# KiCad board CXD-ROUTER-v1.1.0.kicad_pcb (continued)
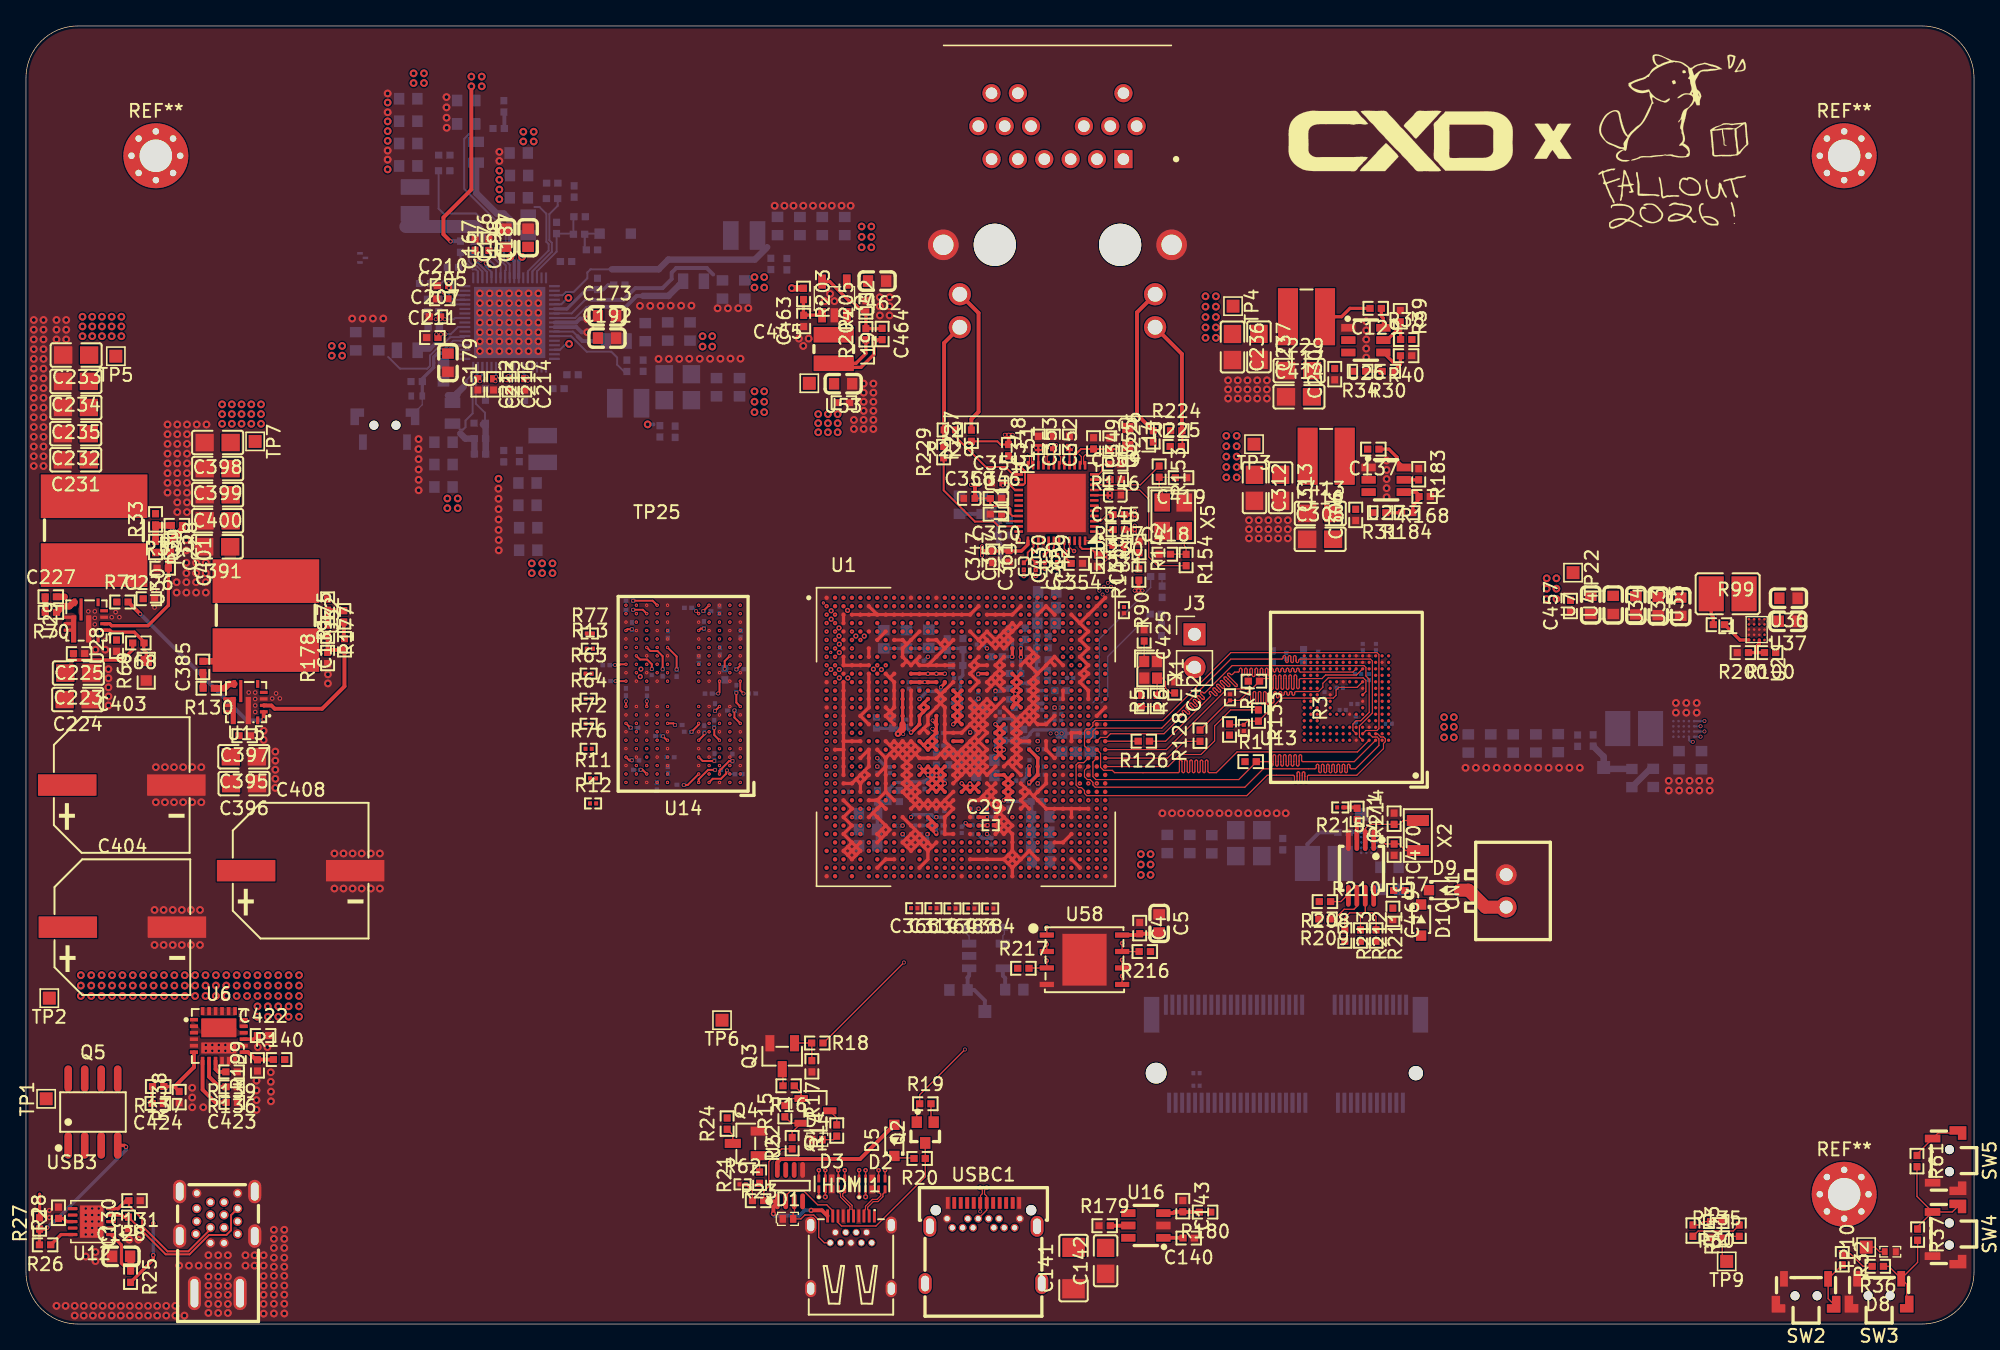
[diagram p0: board, top side]
## Nets (continued)
Net-(U27-VFB): R168.2 R184.1 U27.4
Net-(U29-BOOT): R70.1 U29.7
Net-(U29-EN): R68.1 R69.2 U29.1
Net-(U29-FB): C228.2 R29.2 R35.2 U29.2
Net-(U29-MODE): U28.2 U29.10
Net-(U29-PG): R71.1 U29.4
Net-(U29-SS): C226.1 U29.5
Net-(U29-SW): C227.2 U29.6 U30.1
Net-(U46-EN): R207.2 U46.4
Net-(U46-ILIM/OCB): R206.2 U46.3
Net-(U52-EN): C463.2 R203.2 U52.1
Net-(U52-FB): C464.1 R204.2 R205.1 U52.5
Net-(U52-LX): L19.1 U52.3
Net-(U57-CLKOUT): R211.1 R212.1 R213.1 U57.7
Net-(U57-INT#): R214.2 U57.3
Net-(U57-OSCI): C470.1 U57.1 X2.2
Net-(U57-OSCO): C471.1 U57.2 X2.1
Net-(U57-SCL): R209.1 U57.6
Net-(U57-SDA): R208.1 U57.5
Net-(U57-VDD): C469.1 R210.1 U57.8

Pads without a net: CN2 3 5 6 8 9 10 11 12 13 14 15 16 17 19 20 21 22 23 32 34 36 38 40 42 44 46 48 50 54 56 58 59 60 61 62 64 65 66 67 68 70 71 73; HDMI1 1 2; J2 13 14 15; R180 1; REF** 1; REF**#2 1; REF**#3 1; U1 AA9 AB9 AC6 AC7 AC9 AD1 AD2 AD4 AD6 AD7 AD9 AE1 AE2 AF1 AF2 AF18 AG1 AG2 AG31 AG32 AH2 AH3 AH31 AH32 AJ1 AJ2 AJ31 AJ32 AK2 AK3 AK8 AK17 AK18 AK19 AK20 AK21 AK22 AK31 AK32 AL1 AL2 AL8 AL18 AL19 AL20 AL21 AL22 AL31 AL32 AM2 AM3 AM5 AM31 AM32 AN1 AN2 AN3 AN4 AN5 AN6 AN24 AN25 AN26 AN27 AN28 AN29 AN30 AN32 AN33 AN34 AP2 AP4 AP6 AP24 AP25 AP26 AP27 AP28 AP29 AP30 AP31 AP32 AP33 C19 D7 D10 D14 D17 E7 E10 E17 G9 G18 H4 H5 H9 H18 K4 K5 K7 M7 T5 V6 V7 W4 W5; U11 4 5 6 7; U12 2 3 6 7 9; U13 A1 A2 A7 A8 A9 A10 A11 A12 A13 A14 B1 B7 B8 B9 B10 B11 B12 B13 B14 C1 C3 C5 C7 C8 C9 C10 C11 C12 C13 C14 D1 D2 D3 D4 D12 D13 D14 E1 E2 E3 E5 E8 E9 E10 E12 E13 E14 F1 F2 F3 F10 F12 F13 F14 G1 G2 G3 G10 G12 G13 G14 H1 H2 H3 H12 H13 H14 J1 J2 J3 J12 J13 J14 K1 K2 K3 K6 K7 K10 K12 K13 K14 L1 L2 L3 L12 L13 L14 M1 M2 M3 M7 M8 M9 M10 M11 M12 M13 M14 N1 N3 N6 N7 N8 N9 N10 N11 N12 N13 N14 P1 P2 P7 P8 P9 P10 P11 P12 P13 P14; U14 78.85 A1 A2 A8 A11 A12 AA1 AA12 AB1 AB2 AB11 AB12 B1 B12 G11 H3 J5 K5 K8 N5 N8 P5 R3; U15 4 5 10; U18 2 3 38 47 48; USB3 A6 A7 A8 B6 B7 B8; USBC1 0 A5 A8 A10 A11 B5 B8

## Via types
v1: diameter 0.6, hole 0.3, Top to Bottom, 666 vias
v2: diameter 0.25, hole 0.1, Top to In1.Cu, 277 vias
v3: diameter 0.35, hole 0.2, Top to Bottom, 38 vias
v4: diameter 0.4, hole 0.2, Top to Bottom, 40 vias
v5: diameter 0.3, hole 0.2, Top to Bottom, 165 vias
v6: diameter 0.4, hole 0.22, Top to Bottom, 4 vias
v7: diameter 0.4, hole 0.2, In1.Cu to In8.Cu, 83 vias
v8: diameter 0.35, hole 0.2, In1.Cu to In8.Cu, 16 vias
v9: diameter 0.35, hole 0.15, Top to Bottom, 17 vias
v10: diameter 0.35, hole 0.15, In1.Cu to In8.Cu, 2 vias
v11: diameter 0.25, hole 0.1, In1.Cu to In8.Cu, 7 vias
v12: diameter 0.25, hole 0.1, Top to Bottom, 2 vias

## Routing (per net, layer and track width the routed paths; a pad name or vN(x,y) marks a point on that pad's centre or on a via; arc(x,y) is an arc through that point)
0V95_ETH: length 14.7
  Top w0.15: U11.16 80.35,67.52 C353.1 ; C345.2 83.46,63.85 82.26,63.85 ; 81.15,60.34 81.15,59.9 81.34,59.71 82.03,59.71 C356.1 ; C348.1 77.95,67.52 U11.22 ; 82.26,65.05 83.47,65.05 C359.1 ; U11.28 76.15,64.25 75.6,64.8 C351.2
  Top w0.254: C347.2 74.45,59.55 C357.2 76.65,59.55 77.15,60.05 77.15,60.34
  Top w0.3: C347.2 73.63,59.55 v5(73.62,59.56) ; v5(73.62,59.91) v5(73.62,59.21) ; v5(83.12,59.26) 82.51,59.26 C356.1 ; v5(83.12,58.91) v5(83.12,59.61)
  vias: v1(92.42,68.43) v1(92.42,67.62) v1(92.42,66.83) v1(92.42,66.03) v1(92.42,65.23) v1(93.23,68.43) v1(93.23,67.62) v1(93.23,66.83) v1(93.23,66.03) v1(93.23,65.23) v5(75.22,64.96) v5(75.22,64.61) v5(77.77,67.51) v5(78.12,67.51) v5(80.17,67.56) v5(80.52,67.56) v5(83.47,65.26) v5(83.47,64.91) v5(83.47,64.01) v5(83.47,63.66)
3V3_M0:
  vias: v1(15.1,70.85) v1(15.1,70.1) v1(15.1,69.35) v1(15.85,70.85) v1(15.85,70.1) v1(15.85,69.35) v1(16.6,70.85) v1(16.6,70.1) v1(16.6,69.35) v1(17.35,70.85) v1(17.35,70.1) v1(17.35,69.35) v1(18.1,70.85) v1(18.1,70.1) v1(18.1,69.35)
/15V_PD_OUT: length 5.8
  Top w0.254: 3.3,51.15 7.42,51.15 8.22,51.95 R68.2
  vias: v1(4.22,26.88) v1(4.22,26.08) v1(4.22,25.28) v1(5.02,26.88) v1(5.02,26.08) v1(5.02,25.28) v1(5.83,26.88) v1(5.83,26.08) v1(5.83,25.28) v1(6.62,26.88) v1(6.62,26.08) v1(6.62,25.28) v1(7.42,26.88) v1(7.42,26.08) v1(7.42,25.28) v1(8.22,26.88) v1(8.22,26.08) v1(8.22,25.28) v1(9.02,26.88) v1(9.02,26.08) v1(9.02,25.28) v1(9.83,26.88) v1(9.83,26.08) v1(9.83,25.28) v1(10.62,26.88) v1(10.62,26.08) v1(10.62,25.28) v1(11.42,26.88) v1(11.42,26.08) v1(11.42,25.28) v1(12.22,26.88) v1(12.22,26.08) v1(12.22,25.28) v1(13.02,26.88) v1(13.02,26.08) v1(13.02,25.28) v1(13.83,26.88) v1(13.83,26.08) v1(13.83,25.28) v1(14.62,26.88) v1(14.62,26.08) v1(14.62,25.28) v1(15.42,26.88) v1(15.42,26.08) v1(15.42,25.28) v1(16.22,26.88) v1(16.22,26.08) v1(16.22,25.28) v1(17.02,26.88) v1(17.02,26.08) v1(17.02,25.28) v1(17.83,26.88) v1(17.83,26.08) v1(17.83,25.28) v1(17.83,24.48) v1(17.83,23.68) v1(18.62,26.88) v1(18.62,26.08) v1(18.62,25.28) v1(18.62,24.48) v1(18.62,23.68) v1(19.42,26.88) v1(19.42,26.08) v1(19.42,25.28) v1(19.42,24.48) v1(19.42,23.68) v1(20.22,26.88) v1(20.22,26.08) v1(20.22,25.28) v1(20.22,24.48) v1(20.22,23.68) v1(21.02,26.88) v1(21.02,26.08) v1(21.02,25.28) v1(21.02,24.48) v1(21.02,23.68)
/15V_PD_OUT_UNFUSED: length 1.3
  Top w0.254: C424.2 9.72,18.27 R137.2
/ETHERNET & MAGNETICS/AVDD33_PLL_E2: length 5.2
  Top w0.15: L14.2 84.23,67.63 83.99,67.4 C355.2 83.45,67.41 C349.2 81.23,67.41 80.75,66.92 80.75,66.16
GND: length 345.4
  Top w0.254: 77.58,47.83 77.9,47.5 U1.U23 ; 77.58,47.83 U1.N26 77.6,48.45 77.55,48.45 ; 77.58,47.83 76.92,47.18 ; 77.58,47.83 U1.N25 77.55,48.45 ; 69.12,45.88 U1.U12 ; 69.12,45.88 U1.U13 ; 69.12,45.88 U1.T13 U1.R13 U1.N15 70.1,48.8 ; 66.2,37.75 65.87,38.08 ; 66.2,37.75 65.87,37.43 ; 66.2,37.75 66.52,38.08 66.2,38.4 ; 65.87,38.08 66.2,38.4 ; 65.87,38.08 U1.AJ7 65.87,37.43 ; 66.52,46.53 66.2,46.85 66.85,47.5 66.85,49.45 66.52,49.78 ; 66.52,46.53 66.85,46.85 66.2,47.5 ; 66.52,46.53 66.85,46.2 ; U1.J19 U1.J20 ; U1.J19 73.02,50.43 ; U1.J19 73.02,51.08 ; 67.83,36.78 U1.AK10 67.83,37.43 ; 67.83,36.78 U1.AL11 68.48,36.78 ; 67.83,36.78 U1.AK11 ; U1.W15 70.45,43.95 ; U1.W15 U1.Y16 ; U1.W15 71.08,44.58 ; 70.45,43.95 70.45,43.9 U1.Y15 U1.W16 ; 70.45,43.95 70.1,43.6 U1.Y13 U1.Y12 68.48,43.93 ; 74.3,47.15 U1.T19 ; 74.3,47.15 74.3,47.2 74,47.5 ; 74.3,47.15 U1.N22 ; U1.T19 73.05,45.9 73,45.9 ; U1.T19 U1.U20 U1.V19 U1.AA16 U1.AB17 ; U1.T19 72.7,46.85 73.67,47.83 ; U1.K6 64.9,47.5 U1.R5 U1.T6 ; 77.58,40.68 U1.AC27 U1.AB27 ; 77.58,40.68 76.92,41.33 ; 77.58,40.68 U1.AF27 U1.AF32 ; 67.83,52.38 U1.F11 U1.E12 ; 67.83,52.38 U1.F10 66.85,52.7 ; 67.83,52.38 U1.G10 U1.H10 67.8,51.1 ; 75.6,52.35 75.6,52.4 U1.F22 75,53 74.95,53 ; 75.6,52.35 U1.F23 U1.E22 ; 75.6,52.35 U1.G22 U1.E20 73.67,53.03 ; 68.48,40.68 67.83,41.33 ; 68.48,40.68 U1.AE12 ; 68.48,40.68 U1.AE11 ; 68.48,40.68 68.8,41 68.48,41.33 ; 69.12,36.78 U1.AJ11 ; 69.12,36.78 U1.AL13 ; 69.12,36.78 U1.AK13 ; U1.AJ11 68.48,38.08 ; U1.AJ11 67.83,37.43 ; 73.02,47.83 U1.R20 ; 73.02,47.83 72.7,48.15 ; 73.02,47.83 72.7,47.5 U1.T20 U1.Y16 ; U1.L3 U1.M3 U1.V3 ; 66.2,38.4 U1.AG7 65.23,39.38 ; U1.AE12 U1.AF13 70.1,40.35 U1.AF15 U1.AE16 ; U1.AE12 U1.AF11 ; 68.48,43.93 U1.AA10 U1.AB11 U1.AC10 67.83,41.33 ; 68.48,43.93 U1.W11 ; 68.48,43.93 U1.W12 68.48,44.58 ; U1.Y10 66.52,44.58 ; U1.Y10 U1.W11 ; U1.Y10 U1.AA11 U1.AB10 U1.AC11 ; 66.52,44.58 66.2,44.9 ; 66.52,44.58 66.85,44.9 U1.Y11 ; 81.48,49.78 U1.K31 81.48,50.43 ; 81.48,49.78 U1.K32 81.48,50.43 ; 81.48,49.78 U1.L31 U1.M32 U1.N32 ; U1.AK11 67.83,37.43 ; U1.AK11 68.48,36.78 ; U1.AK11 U1.AJ12 ; U1.AF25 76.92,40.03 ; 76.92,40.03 76.6,39.7 ; 76.92,40.03 76.6,40.35 76.92,40.68 ; 76.27,53.68 76.6,54 ; 76.27,53.68 75.95,54 75.62,53.68 ; 76.27,53.68 U1.G21 74.33,52.38 ; U1.N29 U1.M29 ; 72.7,40.35 U1.AE19 73.7,40.7 ; U1.AM22 75.65,36.15 ; U1.AM22 72.7,35.8 ; U1.AM22 75.62,35.48 ; 75.65,36.15 75.65,36.1 U1.AM23 ; 75.65,36.15 U1.AL23 ; 72.37,44.58 U1.AA20 U1.AB19 U1.W16 ; U1.F16 71.08,52.38 ; 71.08,52.38 U1.F15 70.42,52.38 ; 71.08,52.38 U1.J13 ; U1.E22 74.95,53 ; U1.E22 75.62,53.68 ; 74.95,53 U1.F21 74.33,52.38 ; 63.27,36.78 U1.AL3 63.27,36.12 ; 63.27,36.78 63.6,36.45 ; 63.27,36.78 63.6,37.1 ; 74.98,40.03 U1.AF22 U1.AG21 U1.AJ23 U1.AL23 ; 74.98,40.03 74,41 ; 74.98,40.03 U1.AF21 ; 65.23,39.38 U1.AF7 65.85,40 65.9,40 ; 65.23,39.38 U1.AG6 ; 76.92,41.33 76.6,41 76.92,40.68 ; 76.92,41.33 76.6,41.65 ; U1.W16 71.08,44.58 ; 63.6,36.45 63.92,36.12 ; 63.6,36.45 U1.AK5 ; 63.6,36.45 63.27,36.12 ; 63.92,36.12 U1.AL5 63.6,37.1 ; 63.92,36.12 63.6,35.8 63.27,36.12 ; U1.H25 77.58,51.73 ; U1.H25 77.58,51.08 ; U1.H25 76.92,51.08 ; 77.58,51.73 U1.G25 ; 77.58,51.73 U1.H26 77.58,51.08 ; 68.48,38.08 U1.AH11 U1.AG10 ; 68.48,38.08 69.12,37.43 ; U1.AJ30 U1.AK29 79.2,37.1 ; 81.48,50.43 U1.J32 U1.H31 U1.G32 U1.F31 U1.E32 U1.C30 ; U1.C20 U1.C23 76.6,55.3 ; U1.AM23 76.27,35.48 ; U1.AM23 76.27,36.12 ; U1.AM23 75.62,35.48 ; 76.27,35.48 U1.AN23 ; 76.27,35.48 U1.AL25 U1.AM26 ; 64.58,42.62 63.92,41.98 ; 64.58,42.62 U1.AA6 U1.Y6 U1.W6 U1.Y5 ; 64.58,42.62 U1.AB6 64.58,41.98 ; 63.92,41.98 U1.AC5 ; 63.92,41.98 63.6,41.65 U1.AC3 ; U1.W3 62.3,44.25 ; U1.AE20 73.7,40.65 73.7,40.7 ; U1.AE20 74.27,40.08 ; U1.AE20 74.65,41 U1.AC20 ; 77.25,47.5 U1.R26 U1.T25 76.6,46.85 ; 63.6,37.1 U1.AJ3 63.6,38.4 U1.AG3 63.6,39.7 U1.AE3 ; 72.7,53.35 U1.F19 ; U1.F19 73.67,53.03 ; U1.F19 73.65,52.4 73.65,52.35 ; U1.AL23 76.27,36.12 ; 73.02,50.43 72.7,50.1 U1.L19 72.7,48.8 ; 73.02,50.43 72.7,50.75 73.02,51.08 ; 66.52,49.78 66.21,50.09 ; 66.52,49.78 66.85,50.1 ; U1.J10 67.8,51.05 67.8,51.1 ; 71.73,41.98 U1.AB16 U1.W19 ; 71.73,41.98 U1.W20 73.02,45.23 ; 71.73,41.98 U1.AC16 ; 73.67,47.83 U1.N20 74.33,47.83 ; 73.67,47.83 74,47.5 ; U1.W11 U1.V10 66.52,43.93 ; U1.W11 68.48,44.58 ; 64.89,50.76 64.88,50.75 U1.J3 U1.H3 ; U1.U15 U1.U17 72.7,46.2 ; U1.U15 U1.V15 71.08,44.58 ; U1.U15 70.75,47.5 70.1,48.15 U1.M15 U1.L16 ; 76.6,44.9 U1.U23 ; 76.6,44.9 U1.W23 76.6,43.6 U1.AA23 ; 76.6,44.9 U1.V25 ; U1.U23 76.6,46.2 75.3,47.5 ; 76.92,47.18 U1.T23 76.6,45.55 U1.V23 76.6,44.25 75.62,43.28 ; 76.92,47.18 U1.R25 U1.T26 U1.T27 79.2,46.85 ; U1.K26 76.92,51.08 ; U1.K26 77.6,49.8 ; U1.K26 78.87,51.08 ; 76.92,51.08 76.6,50.75 ; 74.27,40.08 74.37,40.08 U1.AE21 ; 74.27,40.08 U1.AF21 ; 73,45.9 72.7,46.2 ; 73,45.9 U1.U19 ; 72.7,46.2 74,47.5 ; 77.58,51.08 U1.J25 ; 66.2,41 U1.AE7 ; 66.2,41 66.2,43.6 ; 66.2,41 66.85,40.35 ; U1.AE7 U1.AE6 ; U1.AE7 65.9,40 ; U1.V27 U1.W27 79.2,43.6 79.25,43.65 ; 77.55,48.45 77.55,48.5 U1.M25 77.55,49.1 ; 77.55,48.45 U1.M26 77.6,49.1 77.55,49.1 ; 74.98,51.08 U1.J22 74.33,49.78 ; 74.98,51.08 U1.H22 ; 74.98,51.08 U1.J21 U1.K22 74.33,49.12 ; 74.33,52.38 U1.F20 ; U1.B6 U1.C7 ; U1.AN12 69.45,35.8 U1.AL13 ; 77.55,49.1 U1.L26 77.6,49.75 77.6,49.8 ; 77.55,49.1 77.55,49.15 U1.L25 77.6,49.8 ; 66.85,35.8 66.2,35.8 U1.AN7 ; 63.6,54.65 72.7,54.65 U1.B19 ; 73.7,40.7 U1.AC21 ; U1.E23 75.62,53.68 ; U1.AA23 76.6,42.3 ; U1.AA23 75.62,43.28 ; 75.62,43.28 U1.AA22 ; U1.AA21 U1.AB20 U1.W17 ; 79.2,50.75 78.87,51.08 ; 78.87,51.08 79.2,51.4 U1.J29 ; U1.U31 U1.U30 U1.V30 ; U1.AC11 67.83,41.33 ; U1.AC11 68.48,41.33 ; U1.W7 66.2,43.6 ; 66.2,43.6 66.52,43.93 ; 74,47.5 74.33,47.83 ; 74.33,47.83 74.65,47.5 ; 73.67,53.03 U1.F20 ; U1.AC12 68.48,41.33 ; 68.48,41.33 67.83,40.68 ; 65.87,37.43 U1.AK7 ; 74.33,49.78 U1.L21 74.98,49.12 ; 74.33,49.78 U1.L20 74.33,49.12 ; U1.K21 U1.L22 74.98,49.12 ; 74.33,49.12 U1.M20 ; U1.AE15 U1.AF16 U1.AG15 U1.AH15 U1.AJ15 U1.AJ16 ; 73.02,51.08 U1.H19 ; 74.98,49.12 U1.M22 ; 67.83,41.33 67.5,41 67.83,40.68 ; 68.48,36.78 U1.AK12 69.12,37.43 ; 67.8,51.1 U1.J11 68.48,51.08 ; 75.95,34.5 U1.AN23 ; U1.AN23 75.62,35.48 ; 66.52,43.93 66.85,43.6 U1.V11 68.48,44.58 ; U1.AL13 69.77,36.78 ; U1.Y16 72.7,42.3 U1.Y20 72.7,44.9 ; U1.F20 73.65,52.35 ; 73.65,52.35 U1.G19 ; 76.92,40.68 77.25,41 ; 75.62,38.73 U1.AH23 U1.AJ22 U1.AH21 U1.AG22 ; 75.62,38.73 U1.AF21 ; 75.62,38.73 U1.AH22 U1.AJ21 ; U1.F13 70.1,52.7 70.42,52.38 ; 69.12,37.43 U1.AK13 ; 67.83,40.68 U1.AF12 U1.AE13 70.1,39.7 71.4,41 ; 69.77,36.78 70.1,37.1 ; 69.77,36.78 U1.AK13 ; U1.V3 U1.V5 ; U1.V3 U1.AB3 ; 70.42,52.38 U1.G15 ; U1.J13 U1.J12 68.48,51.08 ; U1.J13 U1.J16 ; 68.48,51.08 U1.H12 ; U1.G6 U1.H6 ; 83.1,55.95 81.15,54 ; 79.2,54.65 U1.B27 U1.C26 ; U1.T11 U1.M11 ; 76.27,36.12 76.6,35.8 ; 64.58,41.98 U1.AC5 ; 64.58,41.98 U1.AB5 ; U1.AC5 64.25,41 ; 65.9,40 66.2,39.7 ; 66.2,53.35 U1.F7 ; U1.AG30 U1.AF30 ; U1.AM30 U1.AN31 ; U1.C3 62.95,54 ; 66.2,42.95 U1.AB7 ; U1.Y23 76.6,42.95 ; 83.1,47.5 U1.R33
  Bottom w0.3: U18.44 42.38,76.81 42.78,76.41 v1(43.22,76.41) ; v1(43.22,77.41) 43.17,77.46 42.67,77.46 42.37,77.16 U18.43
  vias: v1(0.6,77.35) v1(0.6,76.6) v1(0.6,75.85) v1(0.6,75.1) v1(0.6,74.35) v1(0.6,73.6) v1(0.6,72.85) v1(0.6,72.1) v1(0.6,71.35) v1(0.6,70.6) v1(0.6,69.85) v1(0.6,69.1) v1(0.6,68.35) v1(0.6,67.6) v1(0.6,66.85) v1(0.6,66.1) v1(1.35,77.35) v1(1.35,76.6) v1(1.35,75.85) v1(1.35,75.1) v1(1.35,74.35) v1(1.35,73.6) v1(1.35,72.85) v1(1.35,72.1) v1(1.35,71.35) v1(1.35,70.6) v1(1.35,69.85) v1(1.35,69.1) v1(1.35,68.35) v1(1.35,67.6) v1(1.35,66.85) v1(1.35,66.1) v1(2.35,77.35) v1(2.35,76.6) v1(2.35,75.85) v1(2.35,1.4) v1(3.05,1.4) v1(3.1,77.35) v1(3.1,76.6) v1(3.1,75.85) v1(3.75,1.4) v1(3.75,0.65) v1(4.45,1.4) v1(4.45,0.65) v1(4.6,5.2) v1(5.15,0.65) v1(5.2,1.4) v1(5.35,51.95) v1(5.35,5.55) v1(5.35,4.85) v1(5.85,0.65) v1(5.9,1.4) v1(6.1,51.95) v1(6.35,50.45) v1(6.35,49.75) v1(6.35,49.05) v1(6.35,48.35) v1(6.35,47.65) v1(6.6,1.4) v1(6.6,0.65) v1(7.3,1.4) v1(7.3,0.65) v1(7.95,6.5) v1(8,1.4) v1(8,0.65) v1(8.65,6.5) v1(8.7,1.4) v1(8.7,0.65) v1(9.4,1.4) v1(9.4,0.65) v1(9.9,31.9) v1(9.9,29.2) v1(10,42.9) v1(10,40.2) v1(10.1,1.4) v1(10.1,0.65) v1(10.6,31.9) v1(10.6,29.2) v1(10.7,42.9) v1(10.7,40.2) v1(10.8,1.4) v1(10.8,0.65) v1(10.9,69.3) v1(10.9,68.55) v1(10.9,67.8) v1(10.9,67.05) v1(10.9,66.3) v1(10.9,65.55) v1(10.9,64.8) v1(10.9,64.05) v1(11.3,31.9) v1(11.3,29.2) v1(11.4,42.9) v1(11.4,40.2) v1(11.5,1.4) v1(11.5,0.65) v1(11.65,69.3) v1(11.65,68.55) v1(11.65,67.8) v1(11.65,67.05) v1(11.65,66.3) v1(11.65,65.55) v1(11.65,64.8) v1(11.65,64.05) v1(11.65,63.3) v1(11.65,62.55) v1(11.6,57.15) v1(11.6,56.35) v1(11.79,4.51) v1(12,31.9) v1(12,29.2) v1(12.1,42.9) v1(12.1,40.2) v1(12.2,0.65) v1(12.35,60.4) v1(12.35,59.6) v1(12.35,58.65) v1(12.35,57.85) v1(12.35,57.15) v1(12.35,56.35) v1(12.4,69.3) v1(12.4,68.55) v1(12.4,67.8) v1(12.4,67.05) v1(12.4,66.3) v1(12.4,65.55) v1(12.4,64.8) v1(12.4,64.05) v1(12.4,63.3) v1(12.4,62.55) v1(12.55,4.5) v1(12.7,31.9) v1(12.7,29.2) v1(12.8,42.9) v1(12.8,40.2) v1(12.8,18.2) v1(12.8,17.45) v1(12.8,16.7) v1(13.15,69.3) v1(13.1,58.65) v1(13.1,57.85) v1(13.1,57.15) v1(13.1,56.35) v1(13.3,4.5) v1(13.4,31.9) v1(13.4,29.2) v1(13.5,42.9) v1(13.5,40.2) v1(13.65,16.7) v1(13.85,58.65) v1(13.85,57.85) v1(13.85,57.15) v1(13.85,56.35) v1(13.9,69.3) v1(14.04,5.31) v1(14.04,4.51) v1(14.04,3.66) v1(14.04,2.96) v1(14.04,2.26) v1(14.04,1.56) v1(14.04,0.86) v1(14.8,5.3) v1(14.8,4.5) v1(14.8,3.65) v1(14.8,2.95) v1(14.8,2.25) v1(14.8,1.55) v1(14.8,0.85) v1(15.55,5.3) v1(15.55,4.5) v1(15.55,3.65) v1(15.55,2.95) v1(15.55,2.25) v1(15.55,1.55) v1(15.55,0.85) v1(16.9,5.3) v1(16.9,4.5) v1(17.6,5.3) v1(17.6,4.5) v1(17.75,18.75) v1(17.75,18) v1(17.75,17.25) v1(17.75,16.5) v1(17.85,21.34) v1(18.3,45.7) v1(18.3,45) v1(18.3,5.3) v1(18.3,4.5) v1(18.3,3.7) v1(18.3,2.95) v1(18.3,2.25) v1(18.3,1.55) v1(18.3,0.8) v1(18.59,21.34) v1(18.85,19.4) v1(18.85,18.66) v1(18.86,17.9) v1(18.86,17.16) v1(19.09,7.26) v1(19.09,6.56) v1(19.09,5.86) v1(19.09,5.11) v1(19.09,4.41) v1(19.09,3.71) v1(19.09,2.96) v1(19.09,2.26) v1(19.09,1.56) v1(19.09,0.81) v1(19.2,44.1) v1(19.2,43.4) v1(19.2,42.7) v1(19.2,42) v1(19.2,41.3) v1(19.89,7.26) v1(19.89,6.56) v1(19.89,5.86) v1(19.89,5.11) v1(19.89,4.41) v1(19.89,3.71) v1(19.89,2.96) v1(19.89,2.26) v1(19.89,1.56) v1(19.89,0.81) v1(23.25,50.05) v1(23.25,49.35) v1(23.75,36.25) v1(23.75,33.55) v1(24.45,36.25) v1(24.45,33.55) v1(25.12,77.46) v1(25.15,36.25) v1(25.15,33.55) v1(25.85,36.25) v1(25.85,33.55) v1(25.92,77.46) v1(26.55,36.25) v1(26.55,33.55) v1(26.72,77.46) v1(27.25,36.25) v1(27.25,33.55) v1(27.51,77.46) v1(27.85,94.8) v1(27.85,93.35) v1(27.85,90.4) v1(27.85,89.7) v1(30.23,68.17) v1(30.22,67.4) v1(30.23,66.63) v1(30.23,65.83) v1(30.24,65.04) v1(30.24,64.23) v1(32.38,94.52) v1(32.38,93.73) v1(32.39,92.93) v1(32.39,92.16) v1(34.95,79.4) v1(34.95,78.65) v1(34.95,77.9) v1(34.95,77.15) v1(34.95,76.4) v1(34.95,75.7) v1(34.95,74.95) v1(35.7,79.4) v1(35.7,78.65) v1(35.7,77.9) v1(35.7,77.15) v1(35.7,76.4) v1(35.7,75.7) v1(35.7,74.95) v1(36.45,90.3) v1(36.45,89.6) v1(36.45,79.4) v1(36.45,78.65) v1(36.45,77.9) v1(36.45,77.15) v1(36.45,76.4) v1(36.45,75.7) v1(36.45,74.95) v1(36.38,64.35) v1(36.39,63.57) v1(36.39,62.78) v1(36.39,61.98) v1(36.39,61.18) v1(36.4,60.4) v1(36.4,59.6) v1(37.2,79.4) v1(37.2,78.65) v1(37.2,77.9) v1(37.2,77.15) v1(37.2,76.4) v1(37.2,75.7) v1(37.2,74.95) v1(37.95,79.4) v1(37.95,78.65) v1(37.95,77.9) v1(37.95,77.15) v1(37.95,76.4) v1(37.95,75.7) v1(37.95,74.95) v1(38.7,79.4) v1(38.7,78.65) v1(38.7,77.9) v1(38.7,77.15) v1(38.7,76.4) v1(38.7,75.7) v1(38.7,74.95) v1(39.45,79.4) v1(39.45,78.65) v1(39.45,77.9) v1(39.45,77.15) v1(39.45,76.4) v1(39.45,75.7) v1(39.45,74.95) v1(47.27,78.44) v1(48.07,78.44) v1(48.71,74.34) v1(48.87,78.44) v1(49.5,74.35) v1(49.64,78.45) v1(50.3,74.35) v1(50.45,78.45) v1(51.08,74.36) v1(51.24,78.45) v1(51.88,74.36) v1(52.68,74.36) v1(53.25,78.25) v1(53.47,74.36) v1(54.05,78.25) v1(54.25,74.37) v1(54.85,78.25) v1(55.02,74.37) v1(55.62,78.26) v1(57.65,86.15) v1(58.4,86.15) v1(59.1,86.15) v1(59.52,75.92) v1(59.85,86.15) v1(59.85,75.35) v1(60.27,75.92) v1(60.6,86.15) v1(61.35,86.15) v1(61.5,78.8) v1(61.92,79.37) v1(62.05,86.15) v1(62.25,78.8) v1(62.8,86.15) v1(63.5,86.15) v1(63.75,69.65) v1(63.75,68.95) v1(64.5,72.45) v1(64.5,71.75) v1(64.5,71.05) v1(64.5,70.35) v1(64.5,69.65) v1(64.5,68.95) v1(65.25,72.45) v1(65.25,71.75) v1(65.25,71.05) v1(65.25,70.35) v1(65.25,69.65) v1(65.25,68.95) v1(65.75,79.1) v1(65.75,78.4) v1(65.75,77.7) v1(66.5,79.1) v1(66.5,78.4) v1(66.5,77.7) v1(87.5,39.35) v1(88.25,39.35) v1(88.95,39.35) v1(89.7,39.35) v1(90.4,39.35) v1(91.15,39.35) v1(91.9,39.35) v1(92.56,72.7) v1(92.56,72) v1(92.56,71.3) v1(92.6,39.35) v1(93.31,72.7) v1(93.31,72) v1(93.31,71.3) v1(93.35,39.35) v1(94.06,72.7) v1(94.06,72) v1(94.06,71.3) v1(94.17,61.93) v1(94.17,61.23) v1(94.17,60.53) v1(94.1,39.35) v1(94.81,72.7) v1(94.81,72) v1(94.81,71.3) v1(94.85,39.35) v1(94.92,61.93) v1(94.92,61.23) v1(94.92,60.53) v1(95.56,72.7) v1(95.56,72) v1(95.56,71.3) v1(95.55,39.35) v1(95.67,61.93) v1(95.67,61.23) v1(95.67,60.53) v1(96.3,39.35) v1(96.42,61.93) v1(96.42,61.23) v1(96.42,60.53) v1(97,39.35) v1(97.17,61.93) v1(97.17,61.23) v1(97.17,60.53) v1(103.2,77.25) v1(103.2,76.55) v1(103.2,75.85) v1(103.2,75.15) v1(103.2,74.45) v1(104.77,66.53) v1(104.77,65.8) v1(104.77,65.1) v1(104.77,64.4) v1(104.77,63.7) v1(110.84,42.85) v1(111.64,42.85) v1(112.44,42.85) v1(113.24,42.85) v1(114.04,42.85) v1(114.84,42.85) v1(115.64,42.85) v1(116.44,42.85) v1(117.24,42.85) v1(118.04,42.85) v1(118.84,42.85) v1(119.64,42.85) v1(126.49,41.85) v1(126.49,41.1) v1(127.04,47.85) v1(127.04,47.1) v1(127.29,41.85) v1(127.29,41.1) v1(127.84,47.85) v1(127.84,47.1) v1(128.09,41.85) v1(128.09,41.1) v1(128.64,47.85) v1(128.64,47.1) v1(128.84,41.85) v1(128.84,41.1) v1(129.64,41.85) v1(129.64,41.1) v2(46.2,54.08) v2(46.2,52.78) v2(46.2,51.48) v2(46.2,50.18) v2(46.2,46.93) v2(46.2,45.62) v2(46.2,44.33) v2(46.2,43.03) v2(47,53.43) v2(47,49.53) v2(47,47.58) v2(47,43.68) v2(47.8,55.38) v2(47.8,51.48) v2(47.8,50.18) v2(47.8,46.93) v2(47.8,45.62) v2(47.8,41.73) v2(48.6,53.43) v2(48.6,49.53) v2(48.6,47.58) v2(48.6,43.68) v2(49.4,55.38) v2(49.4,54.08) v2(49.4,52.78) v2(49.4,51.48) v2(49.4,45.62) v2(49.4,44.33) v2(49.4,43.03) v2(51.8,55.38) v2(51.8,54.08) v2(51.8,52.78) v2(51.8,51.48) v2(51.8,45.62) v2(51.8,44.33) v2(51.8,43.03) v2(52.6,53.43) v2(52.6,49.53) v2(52.6,47.58) v2(52.6,43.68) v2(53.4,55.38) v2(53.4,51.48) v2(53.4,50.18) v2(53.4,46.93) v2(53.4,45.62) v2(53.4,41.73) v2(54.2,53.43) v2(54.2,49.53) v2(54.2,47.58) v2(54.2,43.68) v2(55,54.08) v2(55,52.78) v2(55,51.48) v2(55,50.18) v2(55,46.93) v2(55,45.62) v2(55,44.33) v2(55,43.03) v3(4.8,54.9) v3(5.3,54.9) v3(5.3,54.4) v3(5.3,53.9) v3(5.3,53.4) v3(6.1,52.7) v3(6.6,54.45) v3(6.9,54.84) v3(7.19,54.45) v3(9.9,56.5) v3(9.9,55.2) v3(10.1,58.8) v3(10.1,57.6) v3(13.85,21.5) v3(13.85,21.05) v3(14.35,21.5) v3(14.35,21.05) v3(14.85,21.5) v3(14.85,21.05) v3(15.35,21.5) v3(15.35,21.05) v3(15.85,21.5) v3(15.85,21.05) v3(17.15,48.65) v3(17.65,48.65) v3(17.65,48.15) v3(17.65,47.65) v3(17.65,47.15) v3(18.96,48.19) v3(19.26,48.58) v3(19.55,48.19) v4(1.8,8.75) v4(1.8,8.2) v4(4.6,8.9) v4(4.6,8.4) v4(4.6,7.9) v4(4.6,7.4) v4(4.6,6.9) v4(5.1,8.9) v4(5.1,8.4) v4(5.1,7.9) v4(5.1,7.4) v4(5.1,6.9) v4(5.6,8.9) v4(5.6,8.4) v4(5.6,7.9) v4(5.6,7.4) v4(5.6,6.9)
